# Altium PCB nova34.PcbDoc (part 2 of 4) (continued)
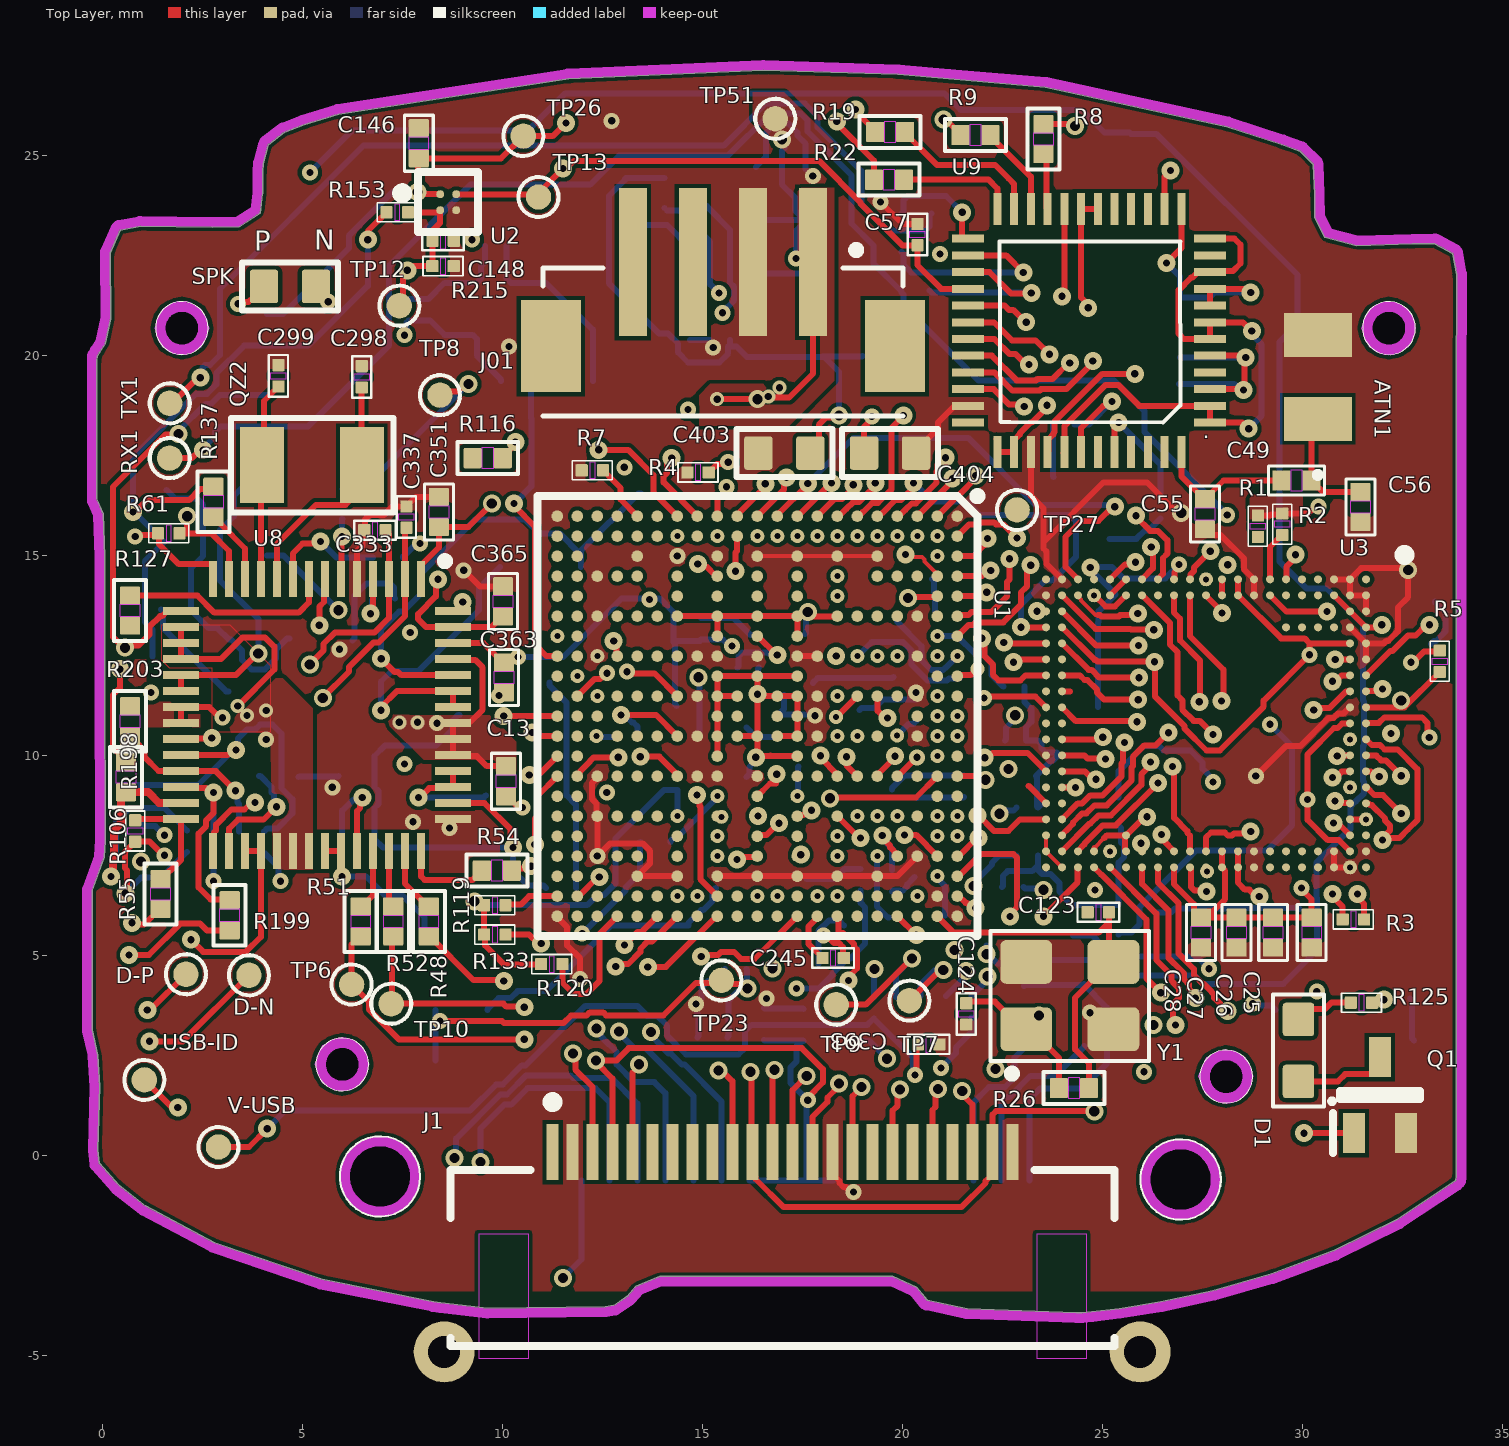
[diagram p0: Top Layer view]
## Nets (pads, with @x,y where several pads share a name; then routed paths per layer and width w, separated by ;. In a path a pad name is that pad's centre, name@x,y a point inside that pad or via, vN(x,y) a via of type N, cw(c..) or ccw(c..) an arc to the next point about the centre after c; other vN are vias at no path point) (continued)
DDR_DQS0_P: U1.B1 U3.R19 | length 34.9
  Top Layer w0.15: U1.B1@20.867,15.974 21.404,16.511 21.414,16.511 21.819,16.916 v1(21.819,16.993) ; U3.R19@25.984,7.195 25.984,6.782 26.645,6.121 26.645,4.932 26.972,4.605 27.032,4.545 27.032,4.397 27.157,4.273 27.157,4.165 27.315,4.007 v1(27.315,3.925)
  Int2 (GND) w0.15: v1(21.819,16.993) 22.363,17.537 22.363,18.109 22.133,18.339 22.133,20.579 22.363,20.809 22.363,21.979 ; 22.363,21.979 22.363,22.335 22.746,22.718 23.287,22.718 23.538,22.466 23.991,22.466 24.622,21.835 24.909,21.835 25.291,21.452 25.291,21.165 26.206,20.251 26.206,20.054 27.618,18.642 27.618,18.356 29.03,16.944 29.03,11.687 29.03,11.145 28.81,10.925 28.81,10.319 29.204,9.925 29.204,9.319 28.904,9.019 28.808,9.019 27.598,7.809 27.598,7.704 27.198,7.304 27.198,5.783 27.284,5.697 27.284,4.502 27.319,4.467 27.319,3.929 v1(27.315,3.925)
DDR_DQS1_N: U1.F1 U3.R2 | length 24
  Top Layer w0.15: U1.F1@18.867,15.974 18.905,15.974 19.002,16.071 19.009,16.071 19.24,16.302 19.384,16.302 19.718,16.636 19.718,18.177 20.015,18.474 v1(20.015,18.494) ; U3.R2@25.984,13.995 25.993,13.995 26.681,13.307 26.681,12.765 26.873,12.573 26.873,11.489 26.994,11.369 26.994,11.137 27.276,10.855 27.423,10.855 v1(27.762,10.516)
  Int3 (Sign) w0.15: v1(20.015,18.494) 20.073,18.551 20.316,18.551 20.357,18.591 21.668,18.591 21.858,18.401 22.402,18.401 22.934,17.869 23.177,17.869 23.205,17.84 24.019,17.84 24.048,17.869 27.14,17.869 29.327,15.682 29.327,11.802 28.558,11.033 28.558,11.021 28.11,10.573 27.82,10.573 v1(27.762,10.516)
DDR_DQS1_P: pad.26 U1.G2 U3.R1 | length 10.2
  Top Layer w0.15: U3.R1@25.984,14.395 26.257,14.668 26.257,15.163 v1(26.214,15.206)
  Int3 (Sign) w0.15: pad.26@18.367,15.474 18.72,15.828 23.186,15.828 23.922,15.092 24.98,15.092 25.531,14.541 25.651,14.421 25.984,14.421 26.219,14.656 26.219,15.201 v1(26.214,15.206)
DDR_ODT: U1.V1
DDR_RAS_B: U1.U4
DDR_WE_B: U1.V2
Desp_l_2: D3.C K1.18 | length 4.6
  Bottom Layer w0.15: K1.18@22.469,-0.635 22.469,1.34 22.579,1.45 22.664,1.45 23.195,1.981 23.813,1.981 24.536,2.705 D3.C@24.536,2.73
Disp_l_1: D2.C K1.17 | length 4.1
  Bottom Layer w0.15: K1.17@21.769,-0.635 21.769,1.312 22.158,1.702 22.56,1.702 22.798,1.94 22.798,2.439 D2.C@23.038,2.679
DRAM_nRESET: R4.2 U1.N4 U3.F1 | length 21.1
  Top Layer w0.15: v1(14.877,14.776) 14.935,14.718 15.088,14.718 15.332,14.474 U1.N4@15.367,14.474 ; R4.2@15.151,17.069 15.358,17.275 15.592,17.275 v2(15.64,17.323) ; U3.F1@29.584,14.395 29.594,14.405 29.594,14.705 29.82,14.93 v1(29.82,15.011)
  Int4 (Sign) w0.15: v1(14.877,14.776) 14.859,14.794 14.859,16.688 15.213,17.042 15.319,17.042 15.6,17.323 v2(15.64,17.323) ; v2@15.64,17.343 18.162,17.343 18.656,17.837 24.953,17.837 25.129,17.66 26.296,17.66 26.473,17.837 27.884,17.837 29.82,15.901 v1(29.82,15.011)
ECSPI2_MISO: K1.5 U1.B5 | length 30.5
  Top Layer w0.15: v3(20.137,13.93) 20.159,13.952 20.845,13.952 U1.B5@20.867,13.974
  Int1 (Sign) w0.15: v3(8.799,-0.075) 8.839,-0.034 8.839,4.477 12.212,7.849 12.981,7.849 13.734,8.602 13.734,8.978 14.346,9.59 14.346,11.571 14.243,11.674 14.243,12.215 14.346,12.319 15.38,13.352 16.501,13.352 16.674,13.18 17.795,13.18 18.02,13.406 19.6,13.406 20.124,13.93 v3(20.137,13.93)
  Bottom Layer w0.15: v3(8.799,-0.075) 8.839,-0.034 8.839,0.414 9.94,1.515 10.107,1.515 10.586,1.994 11.688,1.994 11.753,1.928 12.728,1.928 13.369,1.287 K1.5@13.369,-0.635
ECSPI2_MOSI: K1.4 U1.A6 | length 36.8
  Top Layer w0.15: U1.A6@21.367,13.474 21.394,13.501 21.645,13.501 21.717,13.572 22.218,13.572 22.606,13.96 22.606,14.326 22.667,14.387 22.667,14.903 v1(22.672,14.907)
  Int4 (Sign) w0.15: v3(9.449,-0.175) 9.144,0.13 9.144,5.086 11.114,7.056 11.114,7.514 11.203,7.603 11.203,10.669 11.007,10.866 11.007,10.981 10.761,11.227 10.761,11.516 10.761,12.432 10.761,13.221 11.833,14.294 14.103,14.294 14.293,14.104 16.644,14.104 17.617,15.077 19.371,15.077 19.833,14.615 21.005,14.615 21.254,14.864 21.405,15.014 22.368,15.014 22.418,14.965 22.614,14.965 v1(22.672,14.907)
  Bottom Layer w0.15: v3(9.449,-0.175) 9.449,0.667 10.045,1.263 10.212,1.263 10.625,1.676 12.319,1.676 12.669,1.327 K1.4@12.669,-0.635
ECSPI2_SCLK: K1.6 U1.A4 | length 34.2
  Top Layer w0.15: U1.A4@21.367,14.474 21.982,14.474 22.121,14.613 v1(22.202,14.613)
  Int4 (Sign) w0.15: v3(12.346,3.166) 12.402,3.166 12.74,3.505 13.073,3.505 13.308,3.27 13.308,2.736 12.989,2.417 12.989,2.093 12.573,1.676 11.697,1.676 11.012,2.361 11.012,4.771 11.364,5.123 11.364,7.41 11.453,7.499 11.453,10.773 11.364,10.862 11.364,11.078 11.199,11.243 11.1,11.243 11.012,11.331 11.012,11.62 11.012,12.328 11.012,13.117 11.4,13.505 12.149,13.505 12.401,13.757 13.275,13.757 13.527,13.505 13.839,13.505 13.859,13.524 15.03,13.524 15.347,13.841 16.836,13.841 17.821,14.826 19.214,14.826 19.676,14.364 21.109,14.364 21.359,14.613 v1(22.202,14.613)
  Bottom Layer w0.15: v3(12.346,3.166) 12.346,3.085 12.505,2.926 12.505,2.923 12.846,2.581 12.846,2.268 13.29,1.824 13.792,1.824 14.069,1.548 K1.6@14.069,-0.635
ECSPI2_SS0: K1.7 U1.A5 | length 30.5
  Top Layer w0.15: U1.A5@21.367,13.974 21.923,13.974 22.019,14.071 v1(22.101,14.071)
  Int4 (Sign) w0.15: v3(12.906,3.089) 12.87,3.053 12.87,2.653 12.738,2.521 12.738,2.197 12.469,1.928 11.802,1.928 11.313,2.417 11.313,4.716 11.614,5.017 11.614,6.849 11.723,6.958 11.723,11.075 11.264,11.534 11.264,11.724 11.264,12.264 12.506,13.506 13.17,13.506 13.423,13.253 13.943,13.253 13.963,13.273 15.135,13.273 15.451,13.589 16.94,13.589 17.335,13.983 17.861,13.983 18.221,13.623 18.526,13.623 18.561,13.657 19.839,13.657 19.972,13.524 20.305,13.524 20.324,13.543 21.573,13.543 v1(22.101,14.071)
  Bottom Layer w0.15: v3(12.906,3.089) 12.906,3.057 13.291,2.672 13.578,2.672 14.769,1.481 K1.7@14.769,-0.635
ENET_MDC: U1.Y18
ENET_MDIO: U1.T16
ENET_RD0: U1.AA19
ENET_RD1: U1.Y15
ENET_RD2: U1.Y16
ENET_RD3: U1.AA16
ENET_RX_CTL: U1.V16
ENET_RXC: U1.U16
ENET_TD0: U1.U18
ENET_TD1: U1.AA18
ENET_TD2: U1.V18
ENET_TD3: U1.AA17
ENET_TX_CTL: U1.Y17
ENET_TXC: U1.Y19
GND: ATN1.2 C1.1 C3.2 C4.1 C5.2 C6.1 C7.1 C8.2 C9.2 C10.1 C11.1 C12.1 C13.2 C14.1 C15.1 C16.1 C17.2 C18.2 C19.2 C20.2 C21.2 C22.2 C23.2 C24.2 C25.2 C26.2 C27.2 C28.2 C29.2 C30.2 C31.2 C32.2 C33.2 C34.2 C35.2 C36.2 C37.2 C38.2 C39.2 C40.2 C41.2 C42.2 C43.2 C44.2 C45.2 C46.2 C47.2 C48.2 C50.2 C51.2 C52.2 C53.2 C54.2 C55.2 C56.2 C57.2 C58.1 C59.1 C60.1 C61.1 C88.2 C89.2 C90.2 C91.2 C92.2 C93.2 C94.2 C95.2 C100.2 C101.2 C104.2 C123.2 C124.2 C146.2 C148.2 C244.2 C245.2 C247.2 C254.2 C256.2 C260.2 C264.2 C265.2 C266.2 C267.2 C268.2 C272.2 C273.1 C274.1 C276.2 C279.2 C281.2 C283.2 C285.2 C287.2 C295.2 C298.2 C299.2 C301.2 C302.2 C311.2 C317.2 C318.2 C333.2 C337.2 C351.2 C363.2 C365.2 C391.2 C392.2 C393.2 C401.1 C402.1 C403.2 C404.2 C453.2 C479.2 C480.2 C481.2 C482.2 C483.2 C484.2 C485.2 C486.2 C488.2 C489.2 C490.2 C491.2 C492.2 C493.2 C494.2 C495.2 C496.2 C497.2 J01.2 J1.2 J1.15 J1.24 K1.1 K1.2 K1.13 K1.14 LD1.C LD2.C pad.60 pad.61 pad.63 pad.64 pad.69 pad.70 pad.71 pad.72 pad.77 pad.79 Q1.2 R4.1 R7.1 R18.2 R23.2 R29.2 R103.2 R215.2 R224.2 U1.A1 U1.A21 U1.AA1 U1.AA21 U1.B20 U1.C4 U1.C6 U1.C8 U1.C10 U1.C12 U1.C14 U1.C16 U1.C18 U1.E3 U1.E19 U1.G3 U1.G19 U1.H8 U1.H10 U1.H12 U1.H14 U1.J3 U1.J8 U1.J14 U1.J19 U1.K11 U1.L3 U1.L8 U1.L14 U1.L19 U1.M11 U1.N3 U1.N8 U1.N14 U1.N19 U1.P8 U1.P10 U1.P12 U1.P14 U1.R3 U1.R19 U1.U3 U1.U19 U1.W4 U1.W6 U1.W8 U1.W10 U1.W12 U1.W14 U1.W16 U1.W18 U2.B2 U3. U3.A2 U3.A3 U3.A5 U3.A6 U3.A16 U3.A18 U3.AA2 U3.AA8 U3.AA12 U3.AA17 U3.AA18 U3.B1 U3.B2 U3.B4 U3.B11 U3.B14 U3.B16 U3.B19 U3.C1 U3.C18 U3.C19 U3.F2 U3.H1 U3.H2 U3.H18 U3.H19 U3.L1 U3.L19 U3.P2 U3.P18 U3.T1 U3.T19 U3.U2 U3.U18 U3.Y1 U3.Y6 U3.Y10 U3.Y15 U3.Y19 U4.6 U4.7 U8.5 U8.43 U9.35 U9.39 U12.2 U12.3 Y1.2 Y1.4 | length 93.3
  Top Layer w0.1: U1.L3@16.367,14.974 U1.J3@17.367,14.974 U1.G3@18.367,14.974 U1.E3@19.367,14.974 ; U3.AA17@23.584,7.995 U3.AA18@23.584,7.595 U3.Y19@23.984,7.195
  Top Layer w0.15: U8.5@6.359,14.398 6.359,15.107 6.496,15.244 6.496,15.577 C333.2@6.54,15.621 6.564,15.644 6.564,15.894 6.667,15.997 7.031,15.997 7.252,16.218 C337.2@7.595,16.218 7.83,16.453 C351.2@8.407,16.453 ; v2(9.027,14.621) 9.43,14.218 C365.2@10.008,14.218 ; C13.2@10.084,8.972 10.109,8.972 10.347,8.735 10.446,8.735 v2(10.493,8.687) ; U1.AA21@11.367,5.974 11.367,5.945 11.614,5.698 11.614,5.241 11.938,4.917 v2(11.938,4.4) ; U1.W14@12.367,9.474 12.367,9.436 12.227,9.297 12.227,8.908 12.34,8.796 12.34,8.501 U1.W16@12.367,8.474 v2(12.367,7.474) 12.687,7.794 13.5,7.794 13.687,7.607 13.687,7.294 U1.U19@13.367,6.974 U1.R19@14.367,6.974 ; U1.N19@15.367,6.974 U1.L19@16.367,6.974 U1.J19@17.367,6.974 U1.G19@18.367,6.974 U1.E19@19.367,6.974 19.867,6.974 U1.C18@20.367,7.474 ; U1.J8@17.367,12.474 U1.H8@17.867,12.474 ; v2(18.02,5.494) 18.088,5.494 18.278,5.304 18.403,5.304 18.506,5.201 18.506,4.951 C245.2@18.53,4.928 ; J1.15@18.247,0.076 18.247,-0.474 18.42,-0.647 18.42,-0.697 18.523,-0.8 18.578,-0.8 18.703,-0.925 v2(18.77,-0.925) ; v2(19.446,23.828) 19.995,23.279 C57.2@20.371,23.279 ; C404.2@20.335,17.551 20.335,17.615 20.888,18.168 20.888,18.317 21.277,18.706 21.609,18.706 U9.35@21.634,18.731 ; U9.39@23.206,17.577 23.206,16.481 23.52,16.167 23.52,15.316 ; U3.Y1@23.984,14.395 23.602,14.778 23.602,15.085 23.52,15.166 23.52,15.316 ; U3.U2@25.184,13.995 U3.T1@25.584,14.395 ; v3(26.963,16.059) 26.906,16.116 26.81,16.116 26.111,16.815 25.019,16.815 23.52,15.316 ; C55.2@27.559,15.652 27.713,15.499 27.951,15.499 28.533,14.917 28.533,14.646 U3.H1@28.784,14.395 U3.H2@28.784,13.995 ; v2(28.829,9.474) 29.579,10.224 29.942,10.224 30.644,10.927 30.772,10.927 30.881,11.035 31.011,11.035 31.171,11.195 U3.@31.184,11.195 ; U3.C18@30.784,7.595 U3.C19@30.784,7.195 U3.B19@31.184,7.195 ; U3.C1@30.784,14.395 U3.B1@31.184,14.395 ; U3.B16@31.184,8.395 U3.A16@31.584,8.395 ; U3.B4@31.184,13.195 U3.A5@31.584,12.795 ; U3.A6@31.584,12.395 U3.A5@31.584,12.795 ; U3.A3@31.584,13.595 U3.A2@31.584,13.995 U3.B2@31.184,13.995 U3.B1@31.184,14.395 ; U3.B1@31.184,14.395 31.461,14.672 32.598,14.672 v3(32.639,14.63) 32.639,13.95 32.38,13.691 32.38,13.092 32.145,12.857 32.091,12.857 32.029,12.795 U3.A5@31.584,12.795
  Int1 (Sign) w0.15: v2(5.918,12.645) 6.336,13.063 v2(7.69,13.063) ; v2(14.837,3.78) 14.853,3.765 16.383,3.765 16.53,3.912 v2(16.597,3.912) 16.597,3.947 17.47,4.82 17.47,4.944 v2(18.02,5.494) ; pad.60@31.184,9.195 31.21,9.169 31.21,8.769 pad.61@31.584,8.395
  Bottom Layer w0.15: R224.2@0.991,8.274 1.043,8.222 1.318,8.222 1.543,7.997 v2(1.546,7.997) ; C311.2@1.6,16.627 1.81,16.417 2.353,16.417 2.515,16.256 2.515,14.977 2.21,14.672 C272.2@2.21,13.64 2.21,13.614 2.651,13.173 2.869,13.173 C301.2@3.15,12.893 3.208,12.893 3.488,12.612 3.488,12.376 3.724,12.141 4.056,12.141 4.33,12.414 4.33,12.638 4.61,12.918 C279.2@4.674,12.918 ; C302.2@4.902,9.455 4.915,9.468 5.88,9.468 C453.2@5.893,9.48 ; C295.2@6.248,12.867 6.297,12.916 6.297,13.988 6.604,14.296 7.176,14.296 7.279,14.192 7.279,13.942 C274.1@7.303,13.919 ; C287.2@9.616,3.632 9.616,3.642 9.897,3.923 10.197,3.923 10.375,4.1 11.083,4.1 12.364,5.381 ; pad.77@12.342,10.474 12.359,10.457 12.847,10.457 C392.2@12.865,10.439 ; 12.364,5.382 12.722,5.74 C497.2@14.641,5.74 14.641,5.804 14.96,6.123 15.013,6.123 15.251,6.361 15.251,6.603 C490.2@15.329,6.68 ; U4.7@14.689,20.373 U4.6@15.189,20.373 ; C247.2@14.808,3.658 C247.2@14.808,3.753 ; v2(14.837,3.78) 14.968,3.911 14.968,4.188 15.139,4.359 15.268,4.359 C482.2@15.557,4.648 ; C247.2@14.859,3.607 14.856,3.604 14.856,3.542 14.89,3.508 14.89,2.972 C488.2@14.865,2.946 ; C100.2@14.961,13.424 15.773,13.424 C95.2@16.192,13.005 ; C401.1@16.332,24.704 16.58,24.952 16.58,25.553 16.816,25.788 17.148,25.788 17.371,25.565 17.371,25.486 17.577,25.28 C402.1@17.577,24.653 ; 16.369,11.923 16.384,11.923 16.384,12.167 C267.2@16.408,12.192 ; C58.1@16.535,3.677 16.548,3.664 17.513,3.664 C59.1@17.526,3.651 ; C254.2@16.866,10.986 C254.2@16.9,11.02 ; C484.2@17.031,11.506 17.031,11.151 C254.2@16.9,11.02 ; C481.2@17.599,6.906 18.296,6.906 18.54,7.15 R18.2@18.948,7.15 ; C495.2@17.755,11.055 C495.2@17.748,11.048 ; v2(17.812,10.984) C495.2@17.748,11.048 ; C485.2@17.895,4.775 v2@17.895,5.604 ; v2(18.02,5.494) 18.004,5.494 v2@17.895,5.604 ; C496.2@18.532,5.74 18.401,5.871 18.161,5.871 v2@17.895,5.604 ; C260.2@18.923,11.131 18.975,11.184 19.307,11.184 19.515,11.392 C268.2@20.345,11.392 ; R23.2@19.736,6.591 19.759,6.614 20.009,6.614 20.112,6.718 20.112,6.764 R103.2@20.295,6.947 ; C5.2@20.371,8.928 20.383,8.941 21.526,8.941 C3.2@21.539,8.953 ; C16.1@33.204,12.775 33.282,12.853 33.334,12.853 33.574,13.092 33.574,13.559 33.312,13.821 C11.1@33.312,13.846 ; C254.2@16.9,11.02 17.72,11.02 C495.2@17.748,11.048
  other v2: 24.683,3.561 8.671,8.179 7.759,8.333 5.74,9.195 9.906,11.49 1.208,11.561 20.331,11.567 14.367,14.974 15.263,20.193 10.156,20.218 17.755,24.478 12.725,25.857
GPIO1_IO01: U1.R8
GPIO1_IO05: U1.T8
GPIO1_IO06: U1.Y8
GPIO1_IO07: U1.U8
GPIO1_IO08: U1.V10
GPIO1_IO09: U1.AA9
GPIO1_IO10: U1.AA10
GPIO1_IO11: U1.Y11
GPIO1_IO12: U1.U10
GPIO1_IO13: U1.T10
GPIO1_IO14: K1.8 U1.Y10 | length 15.3
  Top Layer w0.15: U1.Y10@11.867,11.474 12.299,11.906 12.439,11.906 12.582,12.049 v2(12.61,12.049)
  Int4 (Sign) w0.15: v2(12.61,12.049) 12.61,12.013 13.843,10.78 13.843,8.803 13.764,8.724 13.764,8.224 13.843,8.145 13.843,6.803 13.764,6.724 13.764,6.224 14.03,5.958 14.03,3.395 v3(13.71,3.074)
  Bottom Layer w0.15: v3(13.71,3.074) 13.71,2.993 13.979,2.723 13.979,2.705 14.149,2.535 14.208,2.535 14.479,2.264 14.551,2.264 15.469,1.346 K1.8@15.469,-0.635
GPIO1_IO15: K1.3 U1.AA11 | length 20.5
  Top Layer w0.15: v1(10.026,10.979) 10.032,10.974 U1.AA11@11.367,10.974
  Int4 (Sign) w0.15: v1(10.026,10.979) 10.026,9.429 9.674,9.077 9.674,8.65 8.89,7.865 8.89,0.66 8.397,0.167 8.397,-0.294 8.687,-0.584 9.507,-0.584 11.506,-2.584 v3(11.506,-3.073)
  Bottom Layer w0.15: v3(11.506,-3.073) 11.969,-2.611 K1.3@11.969,-0.635
I2C1_SCL: pad.41 R10.2 R48.1 U1.B7 | length 27
  Top Layer w0.15: R48.1@8.153,5.467 8.179,5.467 9.268,4.378 10.008,4.378 v1(10.03,4.356)
  Int4 (Sign) w0.15: v1(10.03,4.356) 10.03,2.696 11.301,1.425 13.133,1.425 14.402,2.694 14.402,5.942 14.015,6.329 14.015,6.62 14.095,6.699 14.095,8.249 14.015,8.329 14.015,8.62 14.095,8.699 14.095,9.347 15.74,10.993 16.537,10.993 17.369,11.826 19.676,11.826 19.974,12.124 20.012,12.124 20.08,12.192 20.085,12.192 pad.41@20.867,12.974
  Bottom Layer w0.15: pad.41@20.867,12.974 21.364,12.974 21.821,12.518 22.009,12.518 22.227,12.3 22.227,11.999 R10.2@22.517,11.709
I2C1_SDA: R11.2 R54.1 U1.A7 | length 38.3
  Top Layer w0.15: R54.1@10.23,7.112 10.286,7.168 10.657,7.168 v1(10.713,7.223) ; U1.A7@21.367,12.974 21.642,13.249 21.749,13.249 21.821,13.321 22.516,13.321 22.957,13.762 22.957,14.064 23.104,14.211 23.104,14.594 23.2,14.69 v1(23.2,14.748)
  Int1 (Sign) w0.15: v1(10.713,7.223) 11.232,7.223 12.108,8.099 12.878,8.099 13.484,8.705 13.484,9.081 14.095,9.692 14.095,11.467 13.992,11.57 13.992,12.32 14.095,12.423 15.868,14.197 15.988,14.197 16.224,14.432 16.224,15.12 16.015,15.329 16.015,15.62 16.221,15.826 17.498,15.826 17.499,15.828 23.026,15.828 23.262,15.592 23.262,15.273 23.2,15.212 23.2,14.771 v1@23.189,14.76 ; v1(23.2,14.748) 23.2,14.667 23.471,14.396 23.471,14.121 23.8,13.792 23.8,9.804 23.923,9.681 23.923,9.01 24.201,8.732 25.455,8.732 25.583,8.86 26.599,8.86 27.095,8.364 27.095,7.765 26.416,7.087 23.978,7.087 v3(23.524,6.633)
  Bottom Layer w0.15: R11.2@23.018,6.709 23.056,6.671 23.486,6.671 v3(23.524,6.633)
I2C2_SCL: R12.2 R32.1 U1.F10 U4.13 | length 19.7
  Top Layer w0.15: v5(18.34,10.947) 18.416,11.024 U1.F10@18.867,11.474
  Int2 (GND) w0.15: v2(15.409,21.551) 15.374,21.551 14.349,20.525 14.349,19.174 14.254,19.08 14.254,17.972 14.628,17.597 14.628,16.589 13.459,15.419 13.459,14.939 13.853,14.545 13.908,14.545 14.302,14.15 14.302,14.095 15.36,13.037 15.36,12.568 16.006,11.923 16.536,11.923 16.631,11.827 17.499,11.827 18.34,10.987 v5(18.34,10.947)
  Bottom Layer w0.15: R32.1@14.046,23.679 14.11,23.615 14.408,23.615 15.189,22.835 U4.13@15.189,22.198 15.189,21.771 v2(15.409,21.551) ; v3(21.767,6.724) 21.767,6.794 22.234,7.262 22.234,7.309 22.418,7.493 R12.2@22.847,7.493
  other v2: 15.409,21.551
I2C2_SDA: pad.38 R13.2 R33.1 U1.D8 U4.14 | length 22
  Int2 (GND) w0.15: v2(15.494,21.057) 15.446,21.009 15.188,21.009 14.886,20.707 14.886,19.446 15.007,19.325 15.007,18.064 15.132,17.939 15.132,16.024 15.015,15.908 15.015,15.228 15.279,14.965 15.279,14.573 16.287,13.565 16.622,13.565 17.007,13.18 19.161,13.18 pad.38@19.867,12.474
  Int6 (Sign) w0.15: pad.38@19.867,12.474 20.21,12.131 20.298,12.131 20.603,11.826 21.038,11.826 23.045,9.818 23.045,9.158 v3(22.422,8.534)
  Bottom Layer w0.15: R33.1@15.113,23.73 15.113,23.705 15.689,23.128 U4.14@15.689,22.198 15.689,21.803 15.786,21.707 15.786,21.366 15.494,21.074 v2(15.494,21.057) ; v3(22.422,8.534) 22.503,8.534 22.578,8.609 22.77,8.609 R13.2@22.847,8.687
I2C3_SCL: J1.5 pad.36 R14.2 U1.F8 | length 26.3
  Top Layer w0.15: J1.5@13.247,0.076 13.247,2.066 13.411,2.23 v3(13.411,2.271)
  Int1 (Sign) w0.15: v3(13.411,2.271) 13.393,2.271 13.084,1.962 10.551,1.962 9.888,2.625 9.888,3.572 10.139,3.824 10.139,3.865 11.364,5.09 11.364,5.443 12.473,6.551 12.581,6.551 13.984,7.954 13.984,8.755 14.73,9.501 14.73,11.543 14.598,11.675 14.495,11.779 14.495,12.111 14.598,12.214 15.484,13.101 16.397,13.101 16.569,12.929 18.454,12.929 18.502,12.881 18.505,12.881 18.867,12.519 pad.36@18.867,12.474
  Bottom Layer w0.15: pad.36@18.867,12.474 18.87,12.474 19.221,12.826 20.013,12.826 20.219,12.62 20.219,12.27 20.617,11.871 21.114,11.871 21.163,11.92 21.413,11.92 R14.2@21.436,11.943
I2C3_SDA: J1.3 pad.37 R15.2 U1.E8 | length 37.2
  Top Layer w0.15: v3(11.759,2.539) 11.816,2.481 11.816,2.136 12.247,1.706 J1.3@12.247,0.076
  Int4 (Sign) w0.15: v3(11.759,2.539) 11.759,3.49 11.563,3.686 11.563,4.556 12.391,5.384 12.391,6.296 11.973,6.714 11.973,11.371 11.515,11.829 11.515,12.16 12.61,13.254 13.066,13.254 13.319,13.001 14.048,13.001 14.067,13.021 15.501,13.021 15.581,13.101 19.199,13.101 19.367,12.933 pad.37@19.367,12.474
  Int6 (Sign) w0.15: v3(11.759,2.539) 11.84,2.539 12.066,2.765 12.663,2.765 12.755,2.672 13.876,2.672 14.461,3.257 14.461,5.085 17.595,8.219 18.115,8.219 18.735,8.839 19.431,8.839 19.574,8.982 22.239,8.982 22.586,9.329 22.586,9.595 v3(22.643,9.652)
I2C4_SCL: pad.39 R16.2 U1.B8 | length 3.4
  Int1 (Sign) w0.15: pad.39@20.867,12.474 21.537,11.804 22.02,11.804 22.191,11.804 22.757,11.238 22.757,11.052 v3(22.814,10.995)
  Bottom Layer w0.15: R16.2@22.555,10.363 22.578,10.386 22.578,10.678 22.814,10.914 v3(22.814,10.995)
I2C4_SDA: pad.40 R17.2 U1.A8 | length 2.4
  Bottom Layer w0.15: R17.2@19.86,13.335 20.47,12.725 20.47,12.374 20.721,12.123 21.01,12.123 21.059,12.172 21.065,12.172 pad.40@21.367,12.474
JTAG_MOD: R23.1 U1.D18 | length 1.6
  Top Layer w0.15: v1(19.492,7.988) 19.492,7.931 19.686,7.737 19.686,7.693 19.867,7.512 U1.D18@19.867,7.474
  Bottom Layer w0.15: v1(19.492,7.988) 19.492,7.907 19.736,7.663 R23.1@19.736,7.125
JTAG_TCK: R18.1 U1.D21 | length 7.8
  Top Layer w0.15: U1.D21@19.867,5.974 19.869,5.974 20.34,5.503 v1(20.342,5.503)
  Int2 (GND) w0.15: v2(17.348,4.165) 18.686,5.503 v1(20.342,5.503)
  Bottom Layer w0.15: v2(17.348,4.165) 17.902,4.165 18.249,4.512 18.249,4.542 18.623,4.916 18.69,4.916 19.064,5.29 19.064,6.191 18.948,6.306 R18.1@18.948,6.616
JTAG_TDI: U1.C21
JTAG_TDO: U1.D20
JTAG_TMS: R27.2
JTAG_TMS_R: pad.10 R27.1 U1.E18 | length 1.7
  Bottom Layer w0.15: pad.10@19.367,7.474 19.359,7.466 19.359,6.212 19.634,5.938 R27.1@19.66,5.938
LX1: L6.1 U8.36 U8.37 | length 4.3
  Top Layer w0.15: U8.37@5.959,7.598 U8.36@5.559,7.598 5.984,7.598 5.973,7.587 5.973,6.982 v1(5.987,6.969)
  Bottom Layer w0.15: v1(5.987,6.969) 6.584,6.969 7.077,6.476 7.512,6.476 8.045,5.942 L6.1@8.045,5.639
LX2: L5.1 U8.45 U8.46 | length 3.1
  Top Layer w0.15: v1(7.896,8.941) 7.93,8.941 8.165,9.176 8.737,9.176 U8.45@8.759,9.198 U8.46@8.759,9.598
  Bottom Layer w0.15: v1(7.896,8.941) 9.531,8.941 L5.1@9.582,8.992
LX4: L11.1 U8.19 U8.20 | length 8.1
  Top Layer w0.15: U8.20@1.959,11.598 U8.19@1.959,11.998 3.329,11.998 3.873,12.543 v3(3.89,12.543)
  Bottom Layer w0.15: v3(3.89,12.543) 3.89,13.408 2.935,14.363 2.935,15.622 3.278,15.965 3.278,16.478 3.811,17.012 L11.1@4.115,17.012
LX5: L13.1 U8.15 | length 10.9
  Top Layer w0.15: v3(1.897,18.029) 1.887,18.019 1.572,18.019 0.255,16.702 0.255,12.958 0.529,12.684 v3(0.562,12.684) 0.62,12.742 0.9,12.742 1.168,13.01 1.168,13.207 1.436,13.475 1.486,13.475 1.584,13.573 1.934,13.573 U8.15@1.959,13.598
  Bottom Layer w0.15: v3(1.897,18.029) 1.897,18.103 2.576,18.782 2.713,18.782 2.937,19.006 L13.1@4.115,19.006
LX6: L15.1 U8.50 U8.51 | length 7.7
  Top Layer w0.15: v1(6.96,11.121) 6.96,11.202 7.356,11.598 U8.51@8.759,11.598 U8.50@8.759,11.198
  Bottom Layer w0.15: v1(6.96,11.121) 6.96,11.839 7.22,12.1 7.886,12.1 9.413,13.627 9.413,14.182 L15.1@9.938,14.707
M.2_32K_OUT: R116.2
NetATN1_1: ATN1.1 C49.2 C56.1 | length 3
  Top Layer w0.15: ATN1.1@30.378,18.406 30.22,18.248 C49.2@30.22,16.866 30.22,16.84 30.374,16.687 30.399,16.687 30.505,16.58 C56.1@31.445,16.58
NetC49_1: C49.1 C55.1 U9.48 | length 3.5
  Top Layer w0.15: U9.48@26.968,17.577 26.968,16.968 27.534,16.402 C55.1@27.559,16.402 28.022,16.866 C49.1@29.47,16.866
NetC148_1: C148.1 R153.2 R215.1 TP12.1 U2.B1 | length 3.9
  Top Layer w0.15: TP12.1@7.417,21.234 7.51,21.327 7.51,22.013 7.722,22.225 R215.1@8.242,22.225 8.244,22.227 8.244,22.855 C148.1@8.245,22.857 8.269,22.88 8.269,23.138 8.43,23.299 8.43,23.612 U2.B1@8.439,23.622 ; R153.2@7.633,23.571 U2.B1@8.375,23.571
  other v1: 7.616,22.119
NetC245_1: C245.1 U1.H21 | length 1.3
  Top Layer w0.15: U1.H21@17.867,5.974 17.867,5.936 17.644,5.713 17.644,5.279 C245.1@17.996,4.928
NetC268_1: C268.1 pad.14 U1.D12 | length 0.6
  Bottom Layer w0.15: pad.14@19.863,10.49 20.153,10.781 20.268,10.781 C268.1@20.345,10.858
NetC458_2: C458.2 R218.2 U12.1 | length 4.8
  Bottom Layer w0.15: R218.2@10.097,22.733 10.097,21.921 10.21,21.808 U12.1@10.642,21.808 11.084,21.808 12.256,20.636 C458.2@12.256,19.355
NetD1_A: D1.A R125.2 | length 1.5
  Top Layer w0.15: D1.A@29.896,3.391 30.161,3.657 30.565,3.657 30.718,3.81 R125.2@31.204,3.81
NetD1_C: D1.C Q1.3 | length 2.4
  Top Layer w0.15: D1.C@29.896,1.841 30.88,1.841 31.062,2.024 31.728,2.024 31.928,2.224 Q1.3@31.928,2.449
NetD2_A: D2.A D3.A K1.19 | length 8.1
  Bottom Layer w0.15: D2.A@23.038,4.229 23.063,4.255 D3.A@24.511,4.255 ; K1.19@23.169,-0.635 23.169,1.401 23.43,1.662 24.485,1.662 25.107,2.284 25.107,3.684 24.536,4.255 D3.A@24.536,4.28
NetL16_1: L16.1 U8.31 U8.32 | length 4.6
  Top Layer w0.15: v1(2.21,5.385) 2.515,5.08 3.581,5.08 3.959,5.458 U8.32@3.959,7.598 U8.31@3.559,7.598
NetLD1_A: LD1.A R24.2 | length 1.5
  Bottom Layer w0.15: LD1.A@25.177,15.405 25.845,15.405 26.06,15.62 26.149,15.62 R24.2@26.441,15.913
NetLD2_A: LD2.A R25.2 | length 1.3
  Bottom Layer w0.15: R25.2@23.761,18.263 23.761,16.962 LD2.A@23.769,16.955
NetR1_2: R1.2 U3.G2 | length 1.6
  Top Layer w0.15: U3.G2@29.184,13.995 29.59,13.589 v1(30.607,13.589)
NetR2_2: R2.2 U3.G1 | length 1.2
  Top Layer w0.15: U3.G1@29.184,14.395 29.184,15.201 R2.2@29.489,15.506
NetR7_2: R7.2 U1.U1 | length 1.5
  Top Layer w0.15: R7.2@12.51,17.12 12.951,16.678 12.951,16.39 U1.U1@13.367,15.974
NetR24_1: R24.1 U9.44 | length 3.1
  Top Layer w0.15: U9.44@25.296,17.577 25.296,18.21 v1(25.4,18.313)
  Bottom Layer w0.15: v1(25.4,18.313) 26.441,17.272 R24.1@26.441,16.447
NetR25_1: R25.1 U9.42 | length 2.8
  Top Layer w0.15: U9.42@24.46,17.577 24.46,18.177 25.013,18.729 25.039,18.729 25.153,18.844 v1(25.235,18.844)
  Bottom Layer w0.15: R25.1@24.295,18.263 24.654,18.263 v1(25.235,18.844)
NetR29_1: pad.17 R29.1 U1.B16 | length 7.9
  Int4 (Sign) w0.15: v3(19.609,2.409) 19.609,2.49 19.713,2.595 19.713,5.076 19.587,5.202 19.587,6.709 20.515,7.638 20.515,8.123 pad.17@20.867,8.474
  Bottom Layer w0.15: R29.1@18.618,2.858 19.16,2.858 v3@19.609,2.409
NetR34_1: R34.1 U4.1 | length 1.5
  Bottom Layer w0.15: U4.1@16.352,22.035 17.876,22.035 R34.1@17.888,22.047
NetR35_1: R35.1 U4.12 | length 2.5
  Bottom Layer w0.15: R35.1@13.056,23.653 13.056,23.628 13.432,23.252 14.111,23.252 14.689,22.674 U4.12@14.689,22.198
NetR48_2: R48.2 U8.41 | length 1.6
  Top Layer w0.15: U8.41@7.559,7.598 7.559,6.786 8.128,6.217 R48.2@8.153,6.217
NetR51_2: R51.2 U8.39 | length 1.5
  Top Layer w0.15: R51.2@6.452,6.217 6.477,6.217 6.759,6.499 U8.39@6.759,7.598
NetR52_2: R52.2 U8.40 | length 1.4
  Top Layer w0.15: U8.40@7.159,7.598 7.159,6.322 R52.2@7.264,6.217
NetR54_2: R54.2 U8.42 | length 2.3
  Top Layer w0.15: U8.42@7.959,7.598 7.959,6.971 8.047,6.883 9.252,6.883 9.301,6.933 9.327,6.933 9.48,7.087 R54.2@9.48,7.112
NetR55_2: R55.2 R106.2 U8.28 | length 2.9
  Top Layer w0.15: R106.2@0.813,8.37 0.845,8.402 U8.28@1.955,8.402 ; R55.2@1.448,6.903 1.473,6.903 1.689,7.118 1.702,7.118 1.959,7.376 U8.28@1.959,8.398
NetR108_1: pad.18 R108.1 U1.A16 | length 6.3
  Int1 (Sign) w0.15: v3(19.295,4.656) 19.295,5.318 20.015,6.039 20.015,6.62 20.515,7.12 20.515,8.62 20.721,8.826 21.015,8.826 pad.18@21.367,8.474
  Bottom Layer w0.15: R108.1@19.279,3.95 19.287,3.958 19.287,4.648 v3(19.295,4.656)